# KiCad board 4-ch-backplane.kicad_pcb (continued)
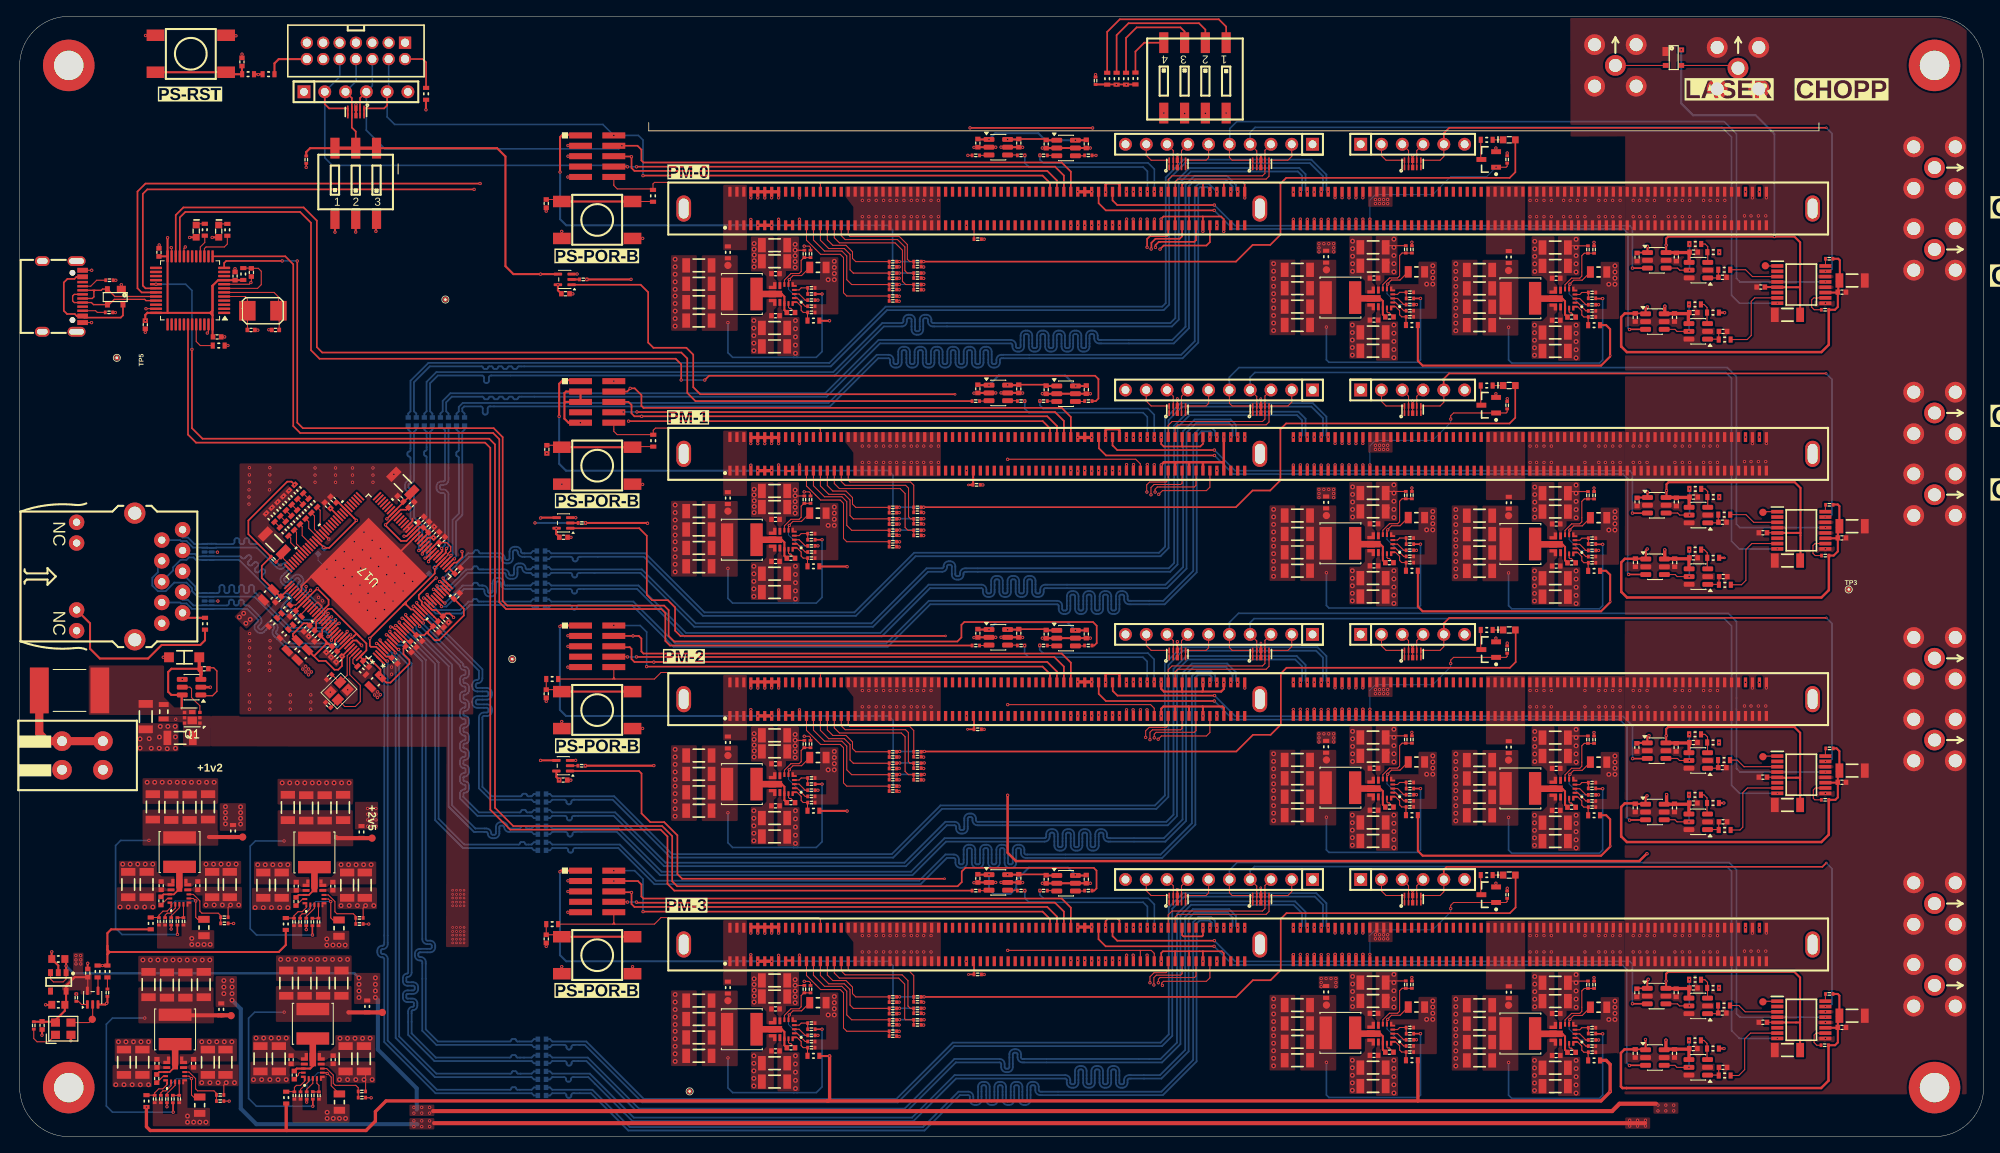
[diagram p0: board, top side]
## Routing (per net, layer and track width the routed paths; a pad name or vN(x,y) marks a point on that pad's centre or on a via; arc(x,y) is an arc through that point) (continued)
/TOP_LEVEL_IO/CHOPPER_INPUT: length 137.8
  Top Layer w0.12: 208.31,70.79 v4(208.32,70.78) ; J18.1 209.64,131 U16.3 ; 208.32,100.77 v1(208.35,100.75)
  Top Layer w0.276: R22.1 208.32,100.77 ; R165.1 v1(208.25,40.8) ; R35.1 208.31,70.79 ; R203.1 v1(208.27,10.78)
  In1.Cu w0.276: v1(208.27,10.78) 209.45,11.95 209.45,26.15 208.25,27.35 v1(208.25,40.8) 209.35,41.9 209.35,55.7 208.32,56.72 v4(208.32,70.78) 208.32,77.47 209.32,78.47 209.32,85.32 208.35,86.3 v1(208.35,100.75) 208.35,109.75 207.55,110.55 205.88,110.55 205.34,111.09 205.34,122.39 206.75,123.8 209.18,123.8 209.98,124.61 J18.1
/TOP_LEVEL_IO/ETH1_TD0_N: length 139.7
  Bottom Layer w0.22: v1(146.3,115.55) 145.33,116.52 144.06,116.52 143.6,116.07 143.6,97.28 141.94,95.61 119.97,95.61 arc(119.54,95.43) 119.36,95 119.36,94.66 arc(119.31,94.53) 119.17,94.48 118.97,94.48 arc(118.84,94.53) 118.78,94.66 118.78,95.99 arc(118.61,96.42) 118.17,96.6 117.97,96.6 arc(117.54,96.42) 117.36,95.99 117.36,94.66 arc(117.31,94.53) 117.17,94.48 116.97,94.48 arc(116.84,94.53) 116.78,94.66 116.78,95.99 arc(116.61,96.42) 116.17,96.6 115.97,96.6 arc(115.54,96.42) 115.36,95.99 115.36,94.66 arc(115.31,94.53) 115.17,94.48 114.97,94.48 arc(114.84,94.53) 114.78,94.66 114.78,95.99 arc(114.61,96.42) 114.17,96.6 113.97,96.6 arc(113.54,96.42) 113.36,95.99 113.36,94.66 arc(113.31,94.53) 113.17,94.48 112.97,94.48 arc(112.84,94.53) 112.78,94.66 112.78,95.99 arc(112.61,96.42) 112.17,96.6 111.97,96.6 arc(111.54,96.42) 111.36,95.99 111.36,94.66 arc(111.31,94.53) 111.17,94.48 110.97,94.48 arc(110.84,94.53) 110.78,94.66 110.78,95.99 arc(110.61,96.42) 110.17,96.6 109.97,96.6 arc(109.54,96.42) 109.36,95.99 109.36,94.66 arc(109.31,94.53) 109.17,94.48 108.97,94.48 arc(108.84,94.53) 108.78,94.66 108.78,95.99 arc(108.61,96.42) 108.17,96.6 107.97,96.6 arc(107.54,96.42) 107.36,95.99 107.36,94.66 arc(107.31,94.53) 107.17,94.48 106.97,94.48 arc(106.84,94.53) 106.78,94.66 106.78,95 arc(106.61,95.43) 106.17,95.61 104.74,95.61 98.85,89.72 54.15,89.72 53.67,89.24 53.67,88.71 53.39,88.42 C206.1
/TOP_LEVEL_IO/ETH1_TD0_P: length 139.7
  Bottom Layer w0.22: v1(145.45,115.55) 145.45,115.8 145.15,116.1 144.23,116.1 144.02,115.89 144.02,97.1 142.11,95.19 119.97,95.19 arc(119.84,95.13) 119.78,95 119.78,94.66 arc(119.61,94.23) 119.17,94.05 118.97,94.05 arc(118.54,94.23) 118.36,94.66 118.36,95.99 arc(118.31,96.12) 118.17,96.17 117.97,96.17 arc(117.84,96.12) 117.78,95.99 117.78,94.66 arc(117.61,94.23) 117.17,94.05 116.97,94.05 arc(116.54,94.23) 116.36,94.66 116.36,95.99 arc(116.31,96.12) 116.17,96.17 115.97,96.17 arc(115.84,96.12) 115.78,95.99 115.78,94.66 arc(115.61,94.23) 115.17,94.05 114.97,94.05 arc(114.54,94.23) 114.36,94.66 114.36,95.99 arc(114.31,96.12) 114.17,96.17 113.97,96.17 arc(113.84,96.12) 113.78,95.99 113.78,94.66 arc(113.61,94.23) 113.17,94.05 112.97,94.05 arc(112.54,94.23) 112.36,94.66 112.36,95.99 arc(112.31,96.12) 112.17,96.17 111.97,96.17 arc(111.84,96.12) 111.78,95.99 111.78,94.66 arc(111.61,94.23) 111.17,94.05 110.97,94.05 arc(110.54,94.23) 110.36,94.66 110.36,95.99 arc(110.31,96.12) 110.17,96.17 109.97,96.17 arc(109.84,96.12) 109.78,95.99 109.78,94.66 arc(109.61,94.23) 109.17,94.05 108.97,94.05 arc(108.54,94.23) 108.36,94.66 108.36,95.99 arc(108.31,96.12) 108.17,96.17 107.97,96.17 arc(107.84,96.12) 107.78,95.99 107.78,94.66 arc(107.61,94.23) 107.17,94.05 106.97,94.05 arc(106.54,94.23) 106.36,94.66 106.36,95 arc(106.31,95.13) 106.17,95.19 104.91,95.19 99.02,89.3 57.43,89.3 arc(57.26,89.23) 57.19,89.06 57.19,88.54 arc(57.12,88.37) 56.95,88.3 56.83,88.3 arc(56.66,88.37) 56.59,88.54 56.59,89.06 arc(56.52,89.23) 56.35,89.3 54.32,89.3 54.09,89.07 54.09,88.71 54.37,88.42 C205.1
/TOP_LEVEL_IO/ETH1_TD1_N: length 139.7
  Bottom Layer w0.22: C208.1 51.42,88.42 51.7,88.71 51.7,89.97 52.64,90.91 98.44,90.91 104.95,97.42 121.13,97.42 arc(121.56,97.24) 121.74,96.81 121.74,96.62 arc(121.79,96.48) 121.93,96.43 122.13,96.43 arc(122.26,96.48) 122.32,96.62 122.32,97.96 arc(122.5,98.39) 122.93,98.57 123.13,98.57 arc(123.56,98.39) 123.74,97.96 123.74,96.62 arc(123.79,96.48) 123.93,96.43 124.13,96.43 arc(124.26,96.48) 124.32,96.62 124.32,97.96 arc(124.5,98.39) 124.93,98.57 125.13,98.57 arc(125.56,98.39) 125.74,97.96 125.74,96.62 arc(125.79,96.48) 125.93,96.43 126.13,96.43 arc(126.26,96.48) 126.32,96.62 126.32,97.96 arc(126.5,98.39) 126.93,98.57 127.13,98.57 arc(127.56,98.39) 127.74,97.96 127.74,96.62 arc(127.79,96.48) 127.93,96.43 128.13,96.43 arc(128.26,96.48) 128.32,96.62 128.32,97.96 arc(128.5,98.39) 128.93,98.57 129.13,98.57 arc(129.56,98.39) 129.74,97.96 129.74,96.62 arc(129.79,96.48) 129.93,96.43 130.13,96.43 arc(130.26,96.48) 130.32,96.62 130.32,97.96 arc(130.5,98.39) 130.93,98.57 131.13,98.57 arc(131.56,98.39) 131.74,97.96 131.74,97.61 arc(131.79,97.48) 131.93,97.42 140.85,97.42 142.47,99.04 142.47,116.42 143.54,117.49 147.53,117.49 148.64,116.39 148.64,115.76 v1(148.85,115.55)
/TOP_LEVEL_IO/ETH1_TD1_P: length 139.7
  Bottom Layer w0.22: v1(148,115.55) 148.21,115.76 148.21,116.21 147.39,117.03 143.68,117.03 142.89,116.24 142.89,98.87 141.02,97 131.93,97 arc(131.5,97.18) 131.32,97.61 131.32,97.96 arc(131.26,98.09) 131.13,98.15 130.93,98.15 arc(130.79,98.09) 130.74,97.96 130.74,96.62 arc(130.56,96.18) 130.13,96 129.93,96 arc(129.5,96.18) 129.32,96.62 129.32,97.96 arc(129.26,98.09) 129.13,98.15 128.93,98.15 arc(128.79,98.09) 128.74,97.96 128.74,96.62 arc(128.56,96.18) 128.13,96 127.93,96 arc(127.5,96.18) 127.32,96.62 127.32,97.96 arc(127.26,98.09) 127.13,98.15 126.93,98.15 arc(126.79,98.09) 126.74,97.96 126.74,96.62 arc(126.56,96.18) 126.13,96 125.93,96 arc(125.5,96.18) 125.32,96.62 125.32,97.96 arc(125.26,98.09) 125.13,98.15 124.93,98.15 arc(124.79,98.09) 124.74,97.96 124.74,96.62 arc(124.56,96.18) 124.13,96 123.93,96 arc(123.5,96.18) 123.32,96.62 123.32,97.96 arc(123.26,98.09) 123.13,98.15 122.93,98.15 arc(122.79,98.09) 122.74,97.96 122.74,96.62 arc(122.56,96.18) 122.13,96 121.93,96 arc(121.5,96.18) 121.32,96.62 121.32,96.81 arc(121.26,96.94) 121.13,97 105.12,97 98.61,90.49 61.07,90.49 arc(60.96,90.44) 60.91,90.33 arc(60.87,90.22) 60.76,90.17 60.47,90.17 arc(60.36,90.22) 60.31,90.33 arc(60.27,90.44) 60.16,90.49 59.87,90.49 arc(59.76,90.44) 59.71,90.33 arc(59.67,90.22) 59.56,90.17 59.27,90.17 arc(59.16,90.22) 59.11,90.33 arc(59.07,90.44) 58.96,90.49 58.67,90.49 arc(58.56,90.44) 58.51,90.33 arc(58.47,90.22) 58.36,90.17 58.07,90.17 arc(57.96,90.22) 57.91,90.33 arc(57.87,90.44) 57.76,90.49 57.47,90.49 arc(57.36,90.44) 57.31,90.33 arc(57.27,90.22) 57.16,90.17 56.87,90.17 arc(56.76,90.22) 56.71,90.33 arc(56.67,90.44) 56.56,90.49 52.81,90.49 52.12,89.8 52.12,88.71 52.4,88.42 C207.1
/TOP_LEVEL_IO/ETH1_TD2_N: length 139.7
  Bottom Layer w0.22: C210.1 49.45,88.42 49.73,88.71 49.73,92.31 50.93,93.5 99.43,93.5 105.43,99.5 107.8,99.5 arc(107.93,99.56) 107.99,99.69 107.99,99.9 arc(108.17,100.33) 108.6,100.51 108.8,100.51 arc(109.23,100.33) 109.41,99.9 109.41,98.68 arc(109.47,98.55) 109.6,98.49 109.8,98.49 arc(109.93,98.55) 109.99,98.68 109.99,99.9 arc(110.17,100.33) 110.6,100.51 110.8,100.51 arc(111.23,100.33) 111.41,99.9 111.41,99.69 arc(111.47,99.56) 111.6,99.5 140.63,99.5 141.23,100.1 141.23,116.72 142.95,118.45 156.37,118.45 157.14,117.69 157.14,115.76 v1(157.35,115.55)
/TOP_LEVEL_IO/ETH1_TD2_P: length 139.7
  Bottom Layer w0.22: C209.1 50.43,88.42 50.15,88.71 50.15,92.13 51.1,93.08 56.5,93.08 arc(56.67,93.01) 56.74,92.84 56.74,92.41 arc(56.81,92.24) 56.98,92.17 57.1,92.17 arc(57.27,92.24) 57.34,92.41 57.34,92.84 arc(57.41,93.01) 57.58,93.08 99.6,93.08 105.6,99.08 107.8,99.08 arc(108.23,99.26) 108.41,99.69 108.41,99.9 arc(108.47,100.03) 108.6,100.09 108.8,100.09 arc(108.93,100.03) 108.99,99.9 108.99,98.68 arc(109.17,98.25) 109.6,98.07 109.8,98.07 arc(110.23,98.25) 110.41,98.68 110.41,99.9 arc(110.47,100.03) 110.6,100.09 110.8,100.09 arc(110.93,100.03) 110.99,99.9 110.99,99.69 arc(111.17,99.26) 111.6,99.08 140.8,99.08 141.65,99.92 141.65,116.55 143.13,118.03 156.2,118.03 156.71,117.51 156.71,115.76 v1(156.5,115.55)
/TOP_LEVEL_IO/ETH1_TD3_N: length 139.7
  Bottom Layer w0.22: v1(159.9,115.55) 159.69,115.76 159.69,117.64 157.85,119.47 142.23,119.47 140.05,117.3 140.05,101.92 139.63,101.5 105.82,101.5 98.94,94.62 49.95,94.62 47.76,92.44 47.76,88.71 47.48,88.42 C212.1
/TOP_LEVEL_IO/ETH1_TD3_P: length 139.7
  Bottom Layer w0.22: v1(159.05,115.55) 159.26,115.76 159.26,117.46 157.67,119.05 142.4,119.05 140.47,117.12 140.47,101.75 139.8,101.08 106,101.08 99.12,94.2 60.98,94.2 arc(60.88,94.15) 60.83,94.04 arc(60.79,93.93) 60.68,93.89 60.38,93.89 arc(60.28,93.93) 60.23,94.04 arc(60.19,94.15) 60.08,94.2 59.78,94.2 arc(59.68,94.15) 59.63,94.04 arc(59.59,93.93) 59.48,93.89 59.18,93.89 arc(59.08,93.93) 59.03,94.04 arc(58.99,94.15) 58.88,94.2 58.58,94.2 arc(58.48,94.15) 58.43,94.04 arc(58.39,93.93) 58.28,93.89 57.98,93.89 arc(57.88,93.93) 57.83,94.04 arc(57.79,94.15) 57.68,94.2 57.38,94.2 arc(57.28,94.15) 57.23,94.04 arc(57.19,93.93) 57.08,93.89 56.78,93.89 arc(56.68,93.93) 56.63,94.04 arc(56.59,94.15) 56.48,94.2 50.12,94.2 48.19,92.26 48.19,88.71 48.47,88.42 C211.1
/TOP_LEVEL_IO/ETH2_TD0_N: length 121.6
  Bottom Layer w0.22: C145.2 64.69,65.71 64.97,65.43 74.99,65.43 80.1,60.32 105.9,60.32 111.1,65.52 126.79,65.52 arc(127.22,65.34) 127.4,64.91 127.4,64.53 arc(127.45,64.39) 127.59,64.34 127.79,64.34 arc(127.92,64.39) 127.97,64.53 127.97,66.1 arc(128.15,66.53) 128.59,66.71 128.79,66.71 arc(129.22,66.53) 129.4,66.1 129.4,64.53 arc(129.45,64.39) 129.59,64.34 129.79,64.34 arc(129.92,64.39) 129.97,64.53 129.97,66.1 arc(130.15,66.53) 130.59,66.71 130.79,66.71 arc(131.22,66.53) 131.4,66.1 131.4,64.53 arc(131.45,64.39) 131.59,64.34 131.79,64.34 arc(131.92,64.39) 131.97,64.53 131.97,66.1 arc(132.15,66.53) 132.59,66.71 132.79,66.71 arc(133.22,66.53) 133.4,66.1 133.4,64.53 arc(133.45,64.39) 133.59,64.34 133.79,64.34 arc(133.92,64.39) 133.97,64.53 133.97,66.1 arc(134.15,66.53) 134.59,66.71 134.79,66.71 arc(135.22,66.53) 135.4,66.1 135.4,65.71 arc(135.45,65.58) 135.59,65.52 139.75,65.52 143.41,69.19 143.41,85.83 144.26,86.67 145.68,86.67 146.09,86.27 146.09,85.76 v1(146.3,85.55)
/TOP_LEVEL_IO/ETH2_TD0_P: length 121.6
  Bottom Layer w0.22: v1(145.45,85.55) 145.66,85.76 145.66,86.1 145.51,86.25 144.43,86.25 143.84,85.65 143.84,69.01 139.92,65.1 135.59,65.1 arc(135.15,65.28) 134.97,65.71 134.97,66.1 arc(134.92,66.23) 134.79,66.28 134.59,66.28 arc(134.45,66.23) 134.4,66.1 134.4,64.53 arc(134.22,64.09) 133.79,63.92 133.59,63.92 arc(133.15,64.09) 132.97,64.53 132.97,66.1 arc(132.92,66.23) 132.79,66.28 132.59,66.28 arc(132.45,66.23) 132.4,66.1 132.4,64.53 arc(132.22,64.09) 131.79,63.92 131.59,63.92 arc(131.15,64.09) 130.97,64.53 130.97,66.1 arc(130.92,66.23) 130.79,66.28 130.59,66.28 arc(130.45,66.23) 130.4,66.1 130.4,64.53 arc(130.22,64.09) 129.79,63.92 129.59,63.92 arc(129.15,64.09) 128.97,64.53 128.97,66.1 arc(128.92,66.23) 128.79,66.28 128.59,66.28 arc(128.45,66.23) 128.4,66.1 128.4,64.53 arc(128.22,64.09) 127.79,63.92 127.59,63.92 arc(127.15,64.09) 126.97,64.53 126.97,64.91 arc(126.92,65.04) 126.79,65.1 111.28,65.1 106.07,59.9 79.93,59.9 74.82,65.01 68.31,65.01 arc(68.14,64.94) 68.07,64.77 68.07,64.69 arc(68,64.52) 67.83,64.45 67.71,64.45 arc(67.54,64.52) 67.47,64.69 67.47,64.77 arc(67.4,64.94) 67.23,65.01 64.97,65.01 64.69,64.73 C144.2
/TOP_LEVEL_IO/ETH2_TD1_N: length 121.6
  Bottom Layer w0.22: C200.2 64.69,67.68 64.97,67.4 75.63,67.4 81.43,61.6 105.17,61.6 111.08,67.5 117.53,67.5 arc(117.96,67.32) 118.14,66.89 118.14,66.62 arc(118.19,66.48) 118.33,66.43 118.53,66.43 arc(118.66,66.48) 118.72,66.62 118.72,67.96 arc(118.9,68.39) 119.33,68.57 119.53,68.57 arc(119.96,68.39) 120.14,67.96 120.14,66.62 arc(120.19,66.48) 120.33,66.43 120.53,66.43 arc(120.66,66.48) 120.72,66.62 120.72,67.96 arc(120.9,68.39) 121.33,68.57 121.53,68.57 arc(121.96,68.39) 122.14,67.96 122.14,66.62 arc(122.19,66.48) 122.33,66.43 122.53,66.43 arc(122.66,66.48) 122.72,66.62 122.72,67.96 arc(122.9,68.39) 123.33,68.57 123.53,68.57 arc(123.96,68.39) 124.14,67.96 124.14,66.62 arc(124.19,66.48) 124.33,66.43 124.53,66.43 arc(124.66,66.48) 124.72,66.62 124.72,66.89 arc(124.9,67.32) 125.33,67.5 140.02,67.5 142.18,69.65 142.18,86.28 143.6,87.7 147.98,87.7 148.64,87.04 148.64,85.76 v1(148.85,85.55)
/TOP_LEVEL_IO/ETH2_TD1_P: length 121.6
  Bottom Layer w0.22: C199.2 64.69,66.69 64.97,66.97 67.26,66.97 arc(67.43,66.9) 67.5,66.73 67.5,66.66 arc(67.57,66.49) 67.74,66.42 67.86,66.42 arc(68.03,66.49) 68.1,66.66 68.1,66.73 arc(68.17,66.9) 68.34,66.97 75.45,66.97 81.25,61.17 105.35,61.17 111.25,67.08 117.53,67.08 arc(117.66,67.02) 117.72,66.89 117.72,66.62 arc(117.9,66.18) 118.33,66 118.53,66 arc(118.96,66.18) 119.14,66.62 119.14,67.96 arc(119.19,68.09) 119.33,68.15 119.53,68.15 arc(119.66,68.09) 119.72,67.96 119.72,66.62 arc(119.9,66.18) 120.33,66 120.53,66 arc(120.96,66.18) 121.14,66.62 121.14,67.96 arc(121.19,68.09) 121.33,68.15 121.53,68.15 arc(121.66,68.09) 121.72,67.96 121.72,66.62 arc(121.9,66.18) 122.33,66 122.53,66 arc(122.96,66.18) 123.14,66.62 123.14,67.96 arc(123.19,68.09) 123.33,68.15 123.53,68.15 arc(123.66,68.09) 123.72,67.96 123.72,66.62 arc(123.9,66.18) 124.33,66 124.53,66 arc(124.96,66.18) 125.14,66.62 125.14,66.89 arc(125.19,67.02) 125.33,67.08 140.2,67.08 142.6,69.47 142.6,86.1 143.78,87.28 147.8,87.28 148.21,86.86 148.21,85.76 v1(148,85.55)
/TOP_LEVEL_IO/ETH2_TD2_N: length 121.6
  Bottom Layer w0.22: C202.2 64.69,69.65 64.97,69.37 76.03,69.37 82.63,62.77 104.1,62.77 110.83,69.5 112.72,69.5 arc(112.86,69.56) 112.91,69.69 112.91,69.75 arc(113.09,70.18) 113.52,70.36 113.72,70.36 arc(114.16,70.18) 114.34,69.75 114.34,68.73 arc(114.39,68.59) 114.52,68.54 114.72,68.54 arc(114.86,68.59) 114.91,68.73 114.91,68.89 arc(115.09,69.32) 115.52,69.5 140.43,69.5 141.07,70.15 141.07,86.92 142.8,88.65 156.27,88.65 157.14,87.79 157.14,85.76 v1(157.35,85.55)
/TOP_LEVEL_IO/ETH2_TD2_P: length 121.6
  Bottom Layer w0.22: v1(156.5,85.55) 156.71,85.76 156.71,87.61 156.1,88.23 142.98,88.23 141.5,86.75 141.5,69.97 140.6,69.08 115.52,69.08 arc(115.39,69.02) 115.34,68.89 115.34,68.73 arc(115.16,68.29) 114.72,68.12 114.52,68.12 arc(114.09,68.29) 113.91,68.73 113.91,69.75 arc(113.86,69.88) 113.72,69.94 113.52,69.94 arc(113.39,69.88) 113.34,69.75 113.34,69.69 arc(113.16,69.26) 112.72,69.08 111,69.08 104.27,62.35 82.45,62.35 75.86,68.94 68.37,68.94 arc(68.2,68.87) 68.13,68.7 68.13,68.63 arc(68.06,68.46) 67.89,68.39 67.77,68.39 arc(67.6,68.46) 67.53,68.63 67.53,68.7 arc(67.46,68.87) 67.29,68.94 64.97,68.94 64.69,68.66 C201.2
/TOP_LEVEL_IO/ETH2_TD3_N: length 121.6
  Bottom Layer w0.22: C204.2 64.69,71.61 64.97,71.33 76.47,71.33 83.69,64.11 102.01,64.11 109.3,71.4 139.23,71.4 139.98,72.15 139.98,87.8 141.88,89.7 158.02,89.7 159.69,88.04 159.69,85.76 v1(159.9,85.55)
/TOP_LEVEL_IO/ETH2_TD3_P: length 121.6
  Bottom Layer w0.22: C203.2 64.69,70.63 64.97,70.91 67.34,70.91 arc(67.51,70.84) 67.58,70.67 67.58,70.59 arc(67.65,70.42) 67.82,70.35 67.94,70.35 arc(68.11,70.42) 68.18,70.59 68.18,70.67 arc(68.25,70.84) 68.42,70.91 76.29,70.91 83.51,63.69 102.19,63.69 109.48,70.98 139.4,70.98 140.4,71.97 140.4,87.62 142.05,89.28 157.85,89.28 159.26,87.86 159.26,85.76 v1(159.05,85.55)
/TOP_LEVEL_IO/ETH3_TD0_N: length 122.1
  Bottom Layer w0.22: C134.2 64.81,36 65.09,35.72 73.33,35.72 77.75,31.3 109.92,31.3 113.13,34.5 114.17,34.5 arc(114.6,34.32) 114.78,33.89 114.78,33.49 arc(114.83,33.36) 114.97,33.3 115.17,33.3 arc(115.3,33.36) 115.35,33.49 115.35,35.09 arc(115.53,35.52) 115.97,35.7 116.17,35.7 arc(116.6,35.52) 116.78,35.09 116.78,33.49 arc(116.83,33.36) 116.97,33.3 117.17,33.3 arc(117.3,33.36) 117.35,33.49 117.35,35.09 arc(117.53,35.52) 117.97,35.7 118.17,35.7 arc(118.6,35.52) 118.78,35.09 118.78,33.49 arc(118.83,33.36) 118.97,33.3 119.17,33.3 arc(119.3,33.36) 119.35,33.49 119.35,35.09 arc(119.53,35.52) 119.97,35.7 120.17,35.7 arc(120.6,35.52) 120.78,35.09 120.78,33.49 arc(120.83,33.36) 120.97,33.3 121.17,33.3 arc(121.3,33.36) 121.35,33.49 121.35,35.09 arc(121.53,35.52) 121.97,35.7 122.17,35.7 arc(122.6,35.52) 122.78,35.09 122.78,34.69 arc(122.83,34.56) 122.97,34.5 139.43,34.5 143.25,38.33 143.25,56.33 143.84,56.91 145.59,56.91 146.09,56.42 146.09,55.76 v1(146.3,55.55)
/TOP_LEVEL_IO/ETH3_TD0_P: length 122.1
  Bottom Layer w0.22: C133.2 64.81,35.02 65.09,35.3 66.79,35.3 arc(66.96,35.23) 67.03,35.06 67.03,34.98 arc(67.1,34.81) 67.27,34.74 67.39,34.74 arc(67.56,34.81) 67.63,34.98 67.63,35.06 arc(67.7,35.23) 67.87,35.3 73.15,35.3 77.58,30.88 110.1,30.88 113.3,34.08 114.17,34.08 arc(114.3,34.02) 114.35,33.89 114.35,33.49 arc(114.53,33.06) 114.97,32.88 115.17,32.88 arc(115.6,33.06) 115.78,33.49 115.78,35.09 arc(115.83,35.22) 115.97,35.27 116.17,35.27 arc(116.3,35.22) 116.35,35.09 116.35,33.49 arc(116.53,33.06) 116.97,32.88 117.17,32.88 arc(117.6,33.06) 117.78,33.49 117.78,35.09 arc(117.83,35.22) 117.97,35.27 118.17,35.27 arc(118.3,35.22) 118.35,35.09 118.35,33.49 arc(118.53,33.06) 118.97,32.88 119.17,32.88 arc(119.6,33.06) 119.78,33.49 119.78,35.09 arc(119.83,35.22) 119.97,35.27 120.17,35.27 arc(120.3,35.22) 120.35,35.09 120.35,33.49 arc(120.53,33.06) 120.97,32.88 121.17,32.88 arc(121.6,33.06) 121.78,33.49 121.78,35.09 arc(121.83,35.22) 121.97,35.27 122.17,35.27 arc(122.3,35.22) 122.35,35.09 122.35,34.69 arc(122.53,34.26) 122.97,34.08 139.6,34.08 143.68,38.15 143.68,56.15 144.01,56.49 145.42,56.49 145.66,56.24 145.66,55.76 v1(145.45,55.55)
/TOP_LEVEL_IO/ETH3_TD1_N: length 122.1
  Bottom Layer w0.22: C136.2 64.81,37.97 65.09,37.69 73.16,37.69 78.45,32.4 108.93,32.4 113.03,36.5 125.25,36.5 arc(125.39,36.56) 125.44,36.69 125.44,36.99 arc(125.62,37.42) 126.05,37.6 126.25,37.6 arc(126.69,37.42) 126.87,36.99 126.87,35.59 arc(126.92,35.45) 127.05,35.4 127.25,35.4 arc(127.39,35.45) 127.44,35.59 127.44,36.99 arc(127.62,37.42) 128.05,37.6 128.25,37.6 arc(128.69,37.42) 128.87,36.99 128.87,35.59 arc(128.92,35.45) 129.05,35.4 129.25,35.4 arc(129.39,35.45) 129.44,35.59 129.44,36.99 arc(129.62,37.42) 130.05,37.6 130.25,37.6 arc(130.69,37.42) 130.87,36.99 130.87,35.59 arc(130.92,35.45) 131.05,35.4 131.25,35.4 arc(131.39,35.45) 131.44,35.59 131.44,36.99 arc(131.62,37.42) 132.05,37.6 132.25,37.6 arc(132.69,37.42) 132.87,36.99 132.87,36.69 arc(132.92,36.56) 133.05,36.5 139.83,36.5 142.11,38.79 142.11,56.71 143.25,57.85 147.57,57.85 148.64,56.79 148.64,55.76 v1(148.85,55.55)
/TOP_LEVEL_IO/ETH3_TD1_P: length 122.1
  Bottom Layer w0.22: v1(148,55.55) 148.21,55.76 148.21,56.61 147.4,57.43 143.43,57.43 142.54,56.54 142.54,38.61 140,36.08 133.05,36.08 arc(132.62,36.26) 132.44,36.69 132.44,36.99 arc(132.39,37.12) 132.25,37.18 132.05,37.18 arc(131.92,37.12) 131.87,36.99 131.87,35.59 arc(131.69,35.16) 131.25,34.98 131.05,34.98 arc(130.62,35.16) 130.44,35.59 130.44,36.99 arc(130.39,37.12) 130.25,37.18 130.05,37.18 arc(129.92,37.12) 129.87,36.99 129.87,35.59 arc(129.69,35.16) 129.25,34.98 129.05,34.98 arc(128.62,35.16) 128.44,35.59 128.44,36.99 arc(128.39,37.12) 128.25,37.18 128.05,37.18 arc(127.92,37.12) 127.87,36.99 127.87,35.59 arc(127.69,35.16) 127.25,34.98 127.05,34.98 arc(126.62,35.16) 126.44,35.59 126.44,36.99 arc(126.39,37.12) 126.25,37.18 126.05,37.18 arc(125.92,37.12) 125.87,36.99 125.87,36.69 arc(125.69,36.26) 125.25,36.08 113.2,36.08 109.1,31.98 78.27,31.98 72.99,37.26 67.8,37.26 arc(67.63,37.19) 67.56,37.02 67.56,36.95 arc(67.49,36.78) 67.32,36.71 67.2,36.71 arc(67.03,36.78) 66.96,36.95 66.96,37.02 arc(66.89,37.19) 66.72,37.26 65.09,37.26 64.81,36.98 C135.2
/TOP_LEVEL_IO/ETH3_TD2_N: length 122.1
  Bottom Layer w0.22: v1(157.35,55.55) 157.14,55.76 157.14,57.69 156.05,58.77 142.57,58.77 141,57.2 141,39.38 140.12,38.5 117.05,38.5 arc(116.91,38.56) 116.86,38.69 116.86,38.9 arc(116.68,39.33) 116.25,39.51 116.05,39.51 arc(115.61,39.33) 115.43,38.9 115.43,37.68 arc(115.38,37.54) 115.25,37.49 115.05,37.49 arc(114.91,37.54) 114.86,37.68 114.86,37.89 arc(114.68,38.32) 114.25,38.5 113.13,38.5 108.12,33.5 78.93,33.5 72.77,39.66 65.09,39.66 64.81,39.94 C140.2
/TOP_LEVEL_IO/ETH3_TD2_P: length 122.1
  Bottom Layer w0.22: v1(156.5,55.55) 156.71,55.76 156.71,57.51 155.88,58.35 142.75,58.35 141.43,57.03 141.43,39.2 140.3,38.08 117.05,38.08 arc(116.61,38.26) 116.43,38.69 116.43,38.9 arc(116.38,39.03) 116.25,39.09 116.05,39.09 arc(115.91,39.03) 115.86,38.9 115.86,37.68 arc(115.68,37.24) 115.25,37.06 115.05,37.06 arc(114.61,37.24) 114.43,37.68 114.43,37.89 arc(114.38,38.02) 114.25,38.08 113.3,38.08 108.3,33.07 78.75,33.07 72.59,39.23 67.72,39.23 arc(67.55,39.16) 67.48,38.99 67.48,38.92 arc(67.41,38.75) 67.24,38.68 67.12,38.68 arc(66.95,38.75) 66.88,38.92 66.88,38.99 arc(66.81,39.16) 66.64,39.23 65.09,39.23 64.81,38.95 C137.2
/TOP_LEVEL_IO/ETH3_TD3_N: length 122.1
  Bottom Layer w0.22: v1(159.9,55.55) 159.69,55.76 159.69,58.76 158.6,59.85 141.95,59.85 139.95,57.85 139.95,41.72 138.73,40.5 112.53,40.5 106.57,34.55 79.72,34.55 72.65,41.62 65.09,41.62 64.81,41.9 C143.2
/TOP_LEVEL_IO/ETH3_TD3_P: length 122.1
  Bottom Layer w0.22: v1(159.05,55.55) 159.26,55.76 159.26,58.59 158.42,59.43 142.13,59.43 140.37,57.67 140.37,41.55 138.9,40.08 112.7,40.08 106.75,34.13 79.55,34.13 72.48,41.2 67.67,41.2 arc(67.5,41.13) 67.43,40.96 67.43,40.88 arc(67.36,40.71) 67.19,40.64 67.07,40.64 arc(66.9,40.71) 66.83,40.88 66.83,40.96 arc(66.76,41.13) 66.59,41.2 65.09,41.2 64.81,40.92 C142.2
/TOP_LEVEL_IO/ETH4_TD0_N: length 121.5
  Bottom Layer w0.22: C73.2 64.81,6.02 65.09,5.74 69.99,5.74 74.55,1.17 110.4,1.17 114.73,5.5 115.92,5.5 arc(116.36,5.32) 116.54,4.89 116.54,4.49 arc(116.59,4.35) 116.72,4.3 116.92,4.3 arc(117.06,4.35) 117.11,4.49 117.11,6.09 arc(117.29,6.52) 117.72,6.7 117.92,6.7 arc(118.36,6.52) 118.54,6.09 118.54,4.49 arc(118.59,4.35) 118.72,4.3 118.92,4.3 arc(119.06,4.35) 119.11,4.49 119.11,6.09 arc(119.29,6.52) 119.72,6.7 119.92,6.7 arc(120.36,6.52) 120.54,6.09 120.54,4.49 arc(120.59,4.35) 120.72,4.3 120.92,4.3 arc(121.06,4.35) 121.11,4.49 121.11,6.09 arc(121.29,6.52) 121.72,6.7 121.92,6.7 arc(122.36,6.52) 122.54,6.09 122.54,4.49 arc(122.59,4.35) 122.72,4.3 122.92,4.3 arc(123.06,4.35) 123.11,4.49 123.11,6.09 arc(123.29,6.52) 123.72,6.7 123.92,6.7 arc(124.36,6.52) 124.54,6.09 124.54,5.69 arc(124.59,5.56) 124.72,5.5 139.52,5.5 143.4,9.38 143.4,26.23 144.02,26.85 145.59,26.85 146.09,26.35 146.09,25.76 v1(146.3,25.55)
/TOP_LEVEL_IO/ETH4_TD0_P: length 121.5
  Bottom Layer w0.22: C69.2 64.81,5.03 65.09,5.31 66.57,5.31 arc(66.74,5.24) 66.81,5.07 66.81,5 arc(66.88,4.83) 67.05,4.76 67.17,4.76 arc(67.34,4.83) 67.41,5 67.41,5.07 arc(67.48,5.24) 67.65,5.31 69.81,5.31 74.37,0.75 110.58,0.75 114.9,5.08 115.92,5.08 arc(116.06,5.02) 116.11,4.89 116.11,4.49 arc(116.29,4.05) 116.72,3.87 116.92,3.87 arc(117.36,4.05) 117.54,4.49 117.54,6.09 arc(117.59,6.22) 117.72,6.28 117.92,6.28 arc(118.06,6.22) 118.11,6.09 118.11,4.49 arc(118.29,4.05) 118.72,3.87 118.92,3.87 arc(119.36,4.05) 119.54,4.49 119.54,6.09 arc(119.59,6.22) 119.72,6.28 119.92,6.28 arc(120.06,6.22) 120.11,6.09 120.11,4.49 arc(120.29,4.05) 120.72,3.87 120.92,3.87 arc(121.36,4.05) 121.54,4.49 121.54,6.09 arc(121.59,6.22) 121.72,6.28 121.92,6.28 arc(122.06,6.22) 122.11,6.09 122.11,4.49 arc(122.29,4.05) 122.72,3.87 122.92,3.87 arc(123.36,4.05) 123.54,4.49 123.54,6.09 arc(123.59,6.22) 123.72,6.28 123.92,6.28 arc(124.06,6.22) 124.11,6.09 124.11,5.69 arc(124.29,5.26) 124.72,5.08 139.7,5.08 143.82,9.2 143.82,26.06 144.19,26.43 145.41,26.43 145.66,26.18 145.66,25.76 v1(145.45,25.55)
/TOP_LEVEL_IO/ETH4_TD1_N: length 121.5
  Bottom Layer w0.22: C116.2 64.81,7.98 65.09,7.7 69.67,7.7 75.05,2.32 109.05,2.32 114.25,7.52 127.77,7.52 arc(128.21,7.34) 128.38,6.91 128.38,6.6 arc(128.44,6.46) 128.57,6.41 128.77,6.41 arc(128.91,6.46) 128.96,6.6 128.96,8.03 arc(129.14,8.46) 129.57,8.64 129.77,8.64 arc(130.21,8.46) 130.38,8.03 130.38,6.6 arc(130.44,6.46) 130.57,6.41 130.77,6.41 arc(130.91,6.46) 130.96,6.6 130.96,8.03 arc(131.14,8.46) 131.57,8.64 131.77,8.64 arc(132.21,8.46) 132.38,8.03 132.38,6.6 arc(132.44,6.46) 132.57,6.41 132.77,6.41 arc(132.91,6.46) 132.96,6.6 132.96,8.03 arc(133.14,8.46) 133.57,8.64 133.77,8.64 arc(134.21,8.46) 134.38,8.03 134.38,6.6 arc(134.44,6.46) 134.57,6.41 134.77,6.41 arc(134.91,6.46) 134.96,6.6 134.96,6.91 arc(135.14,7.34) 135.57,7.52 139.35,7.52 142.43,10.6 142.43,26.88 143.38,27.82 147.8,27.82 148.64,26.99 148.64,25.76 v1(148.85,25.55)
/TOP_LEVEL_IO/ETH4_TD1_P: length 121.5
  Bottom Layer w0.22: C81.2 64.81,7 65.09,7.28 66.53,7.28 arc(66.7,7.21) 66.77,7.04 66.77,6.96 arc(66.84,6.79) 67.01,6.72 67.13,6.72 arc(67.3,6.79) 67.37,6.96 67.37,7.04 arc(67.44,7.21) 67.61,7.28 69.5,7.28 74.87,1.9 109.23,1.9 114.42,7.1 127.77,7.1 arc(127.91,7.04) 127.96,6.91 127.96,6.6 arc(128.14,6.16) 128.57,5.98 128.77,5.98 arc(129.21,6.16) 129.38,6.6 129.38,8.03 arc(129.44,8.16) 129.57,8.22 129.77,8.22 arc(129.91,8.16) 129.96,8.03 129.96,6.6 arc(130.14,6.16) 130.57,5.98 130.77,5.98 arc(131.21,6.16) 131.38,6.6 131.38,8.03 arc(131.44,8.16) 131.57,8.22 131.77,8.22 arc(131.91,8.16) 131.96,8.03 131.96,6.6 arc(132.14,6.16) 132.57,5.98 132.77,5.98 arc(133.21,6.16) 133.38,6.6 133.38,8.03 arc(133.44,8.16) 133.57,8.22 133.77,8.22 arc(133.91,8.16) 133.96,8.03 133.96,6.6 arc(134.14,6.16) 134.57,5.98 134.77,5.98 arc(135.21,6.16) 135.38,6.6 135.38,6.91 arc(135.44,7.04) 135.57,7.1 139.52,7.1 142.85,10.43 142.85,26.7 143.55,27.4 147.62,27.4 148.21,26.81 148.21,25.76 v1(148,25.55)